# KiCad board [DFR1142]Lite Carrier for LattePanda Mu.kicad_pcb (continued)
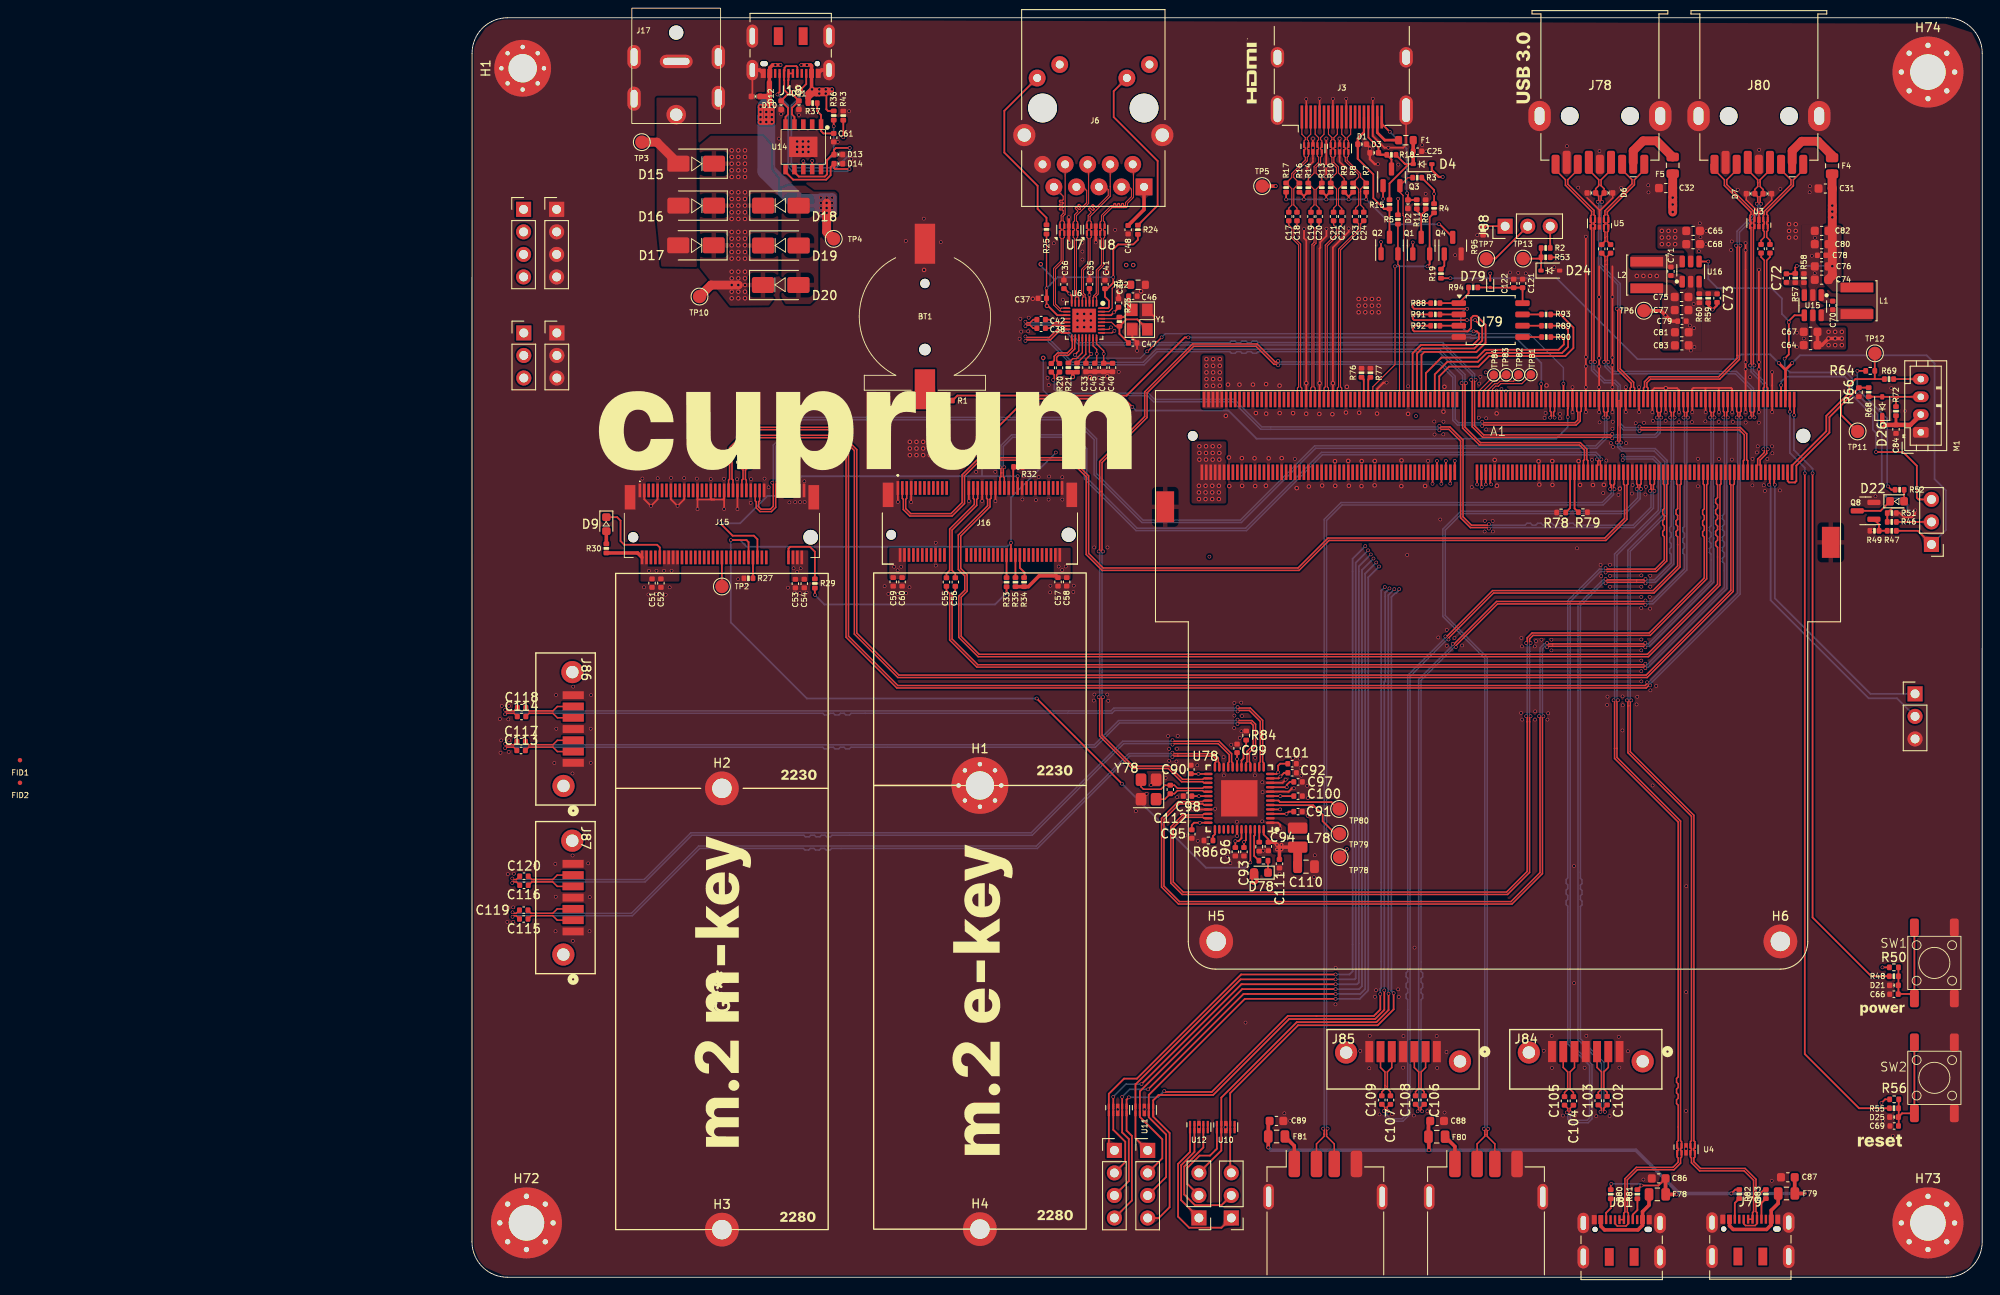
[diagram p0: board, top side]
## Library data of the parts
A1 = -: Description: A micro computing module with x86 processer, RAM and eMMC.; ki_fp_filters: *LattePanda*
C17-C29 C33-C61 C66 C69-C73 C78 C79 C84 = -: SCH_Show_Footprint: C0402; ki_fp_filters: C_*
C31 C32 C64 C65 C67 C68 C74-C77 C80-C83 C86-C89 = -: SCH_Show_Footprint: C603; ki_fp_filters: C_*
C90-C109 C111 C113-C120 = -: DigiKey_PN: 490-4759-1-ND; MFG_PN: GCM155R71C104KA55D; ki_fp_filters: C_*
C110 = -: DigiKey_PN: 490-GRM21BR70J106KA73LCT-ND; MFG_PN: GRM21BR70J106KA73L; ki_fp_filters: C_*
C112 = -: DigiKey_PN: 490-11147-1-ND; MFG_PN: GCM1555C1H150JA16D; ki_fp_filters: C_*
C121 = -: Datasheet: https://wmsc.lcsc.com/wmsc/upload/file/pdf/v2/lcsc/2309061403_Samsung-Electro-Mechanics-CL05A226MQ5QUNC_C105226.pdf; Description: Unpolarized capacitor; DF_Comment: 贴片电容0402-10UF-10V-X5R_GRM155R61A106ME44D; SCH_Show_Footprint: C0402; Part#: C105226; MPN: CL05A226MQ5QUNC; Package: 0402; LCSC Part #: C105226; ki_fp_filters: C_*
C122 = -: Datasheet: https://wmsc.lcsc.com/wmsc/upload/file/pdf/v2/lcsc/1811011928_Walsin-Tech-Corp-0402B104K160CT_C83056.pdf; Description: Unpolarized capacitor; DF_Comment: 贴片电容0402-10UF-10V-X5R_GRM155R61A106ME44D; SCH_Show_Footprint: C0402; Part#: C83056; MPN: 0402B104K160CT; Package: 0402; LCSC Part #: C83056; ki_fp_filters: C_*
D1-D3 D5-D8 D10 D11 D21 D25 = -: Datasheet: https://www.onsemi.com/pub/Collateral/ESD9B-D.PDF; Buy_Link: https://item.szlcsc.com/539388.html; DF_Comment: 双向静电保护二极管_ESD5V0B03-1006_DFN1006; SCH_Show_Footprint: D0402; ki_fp_filters: D*SOD?923*
D4 D26 = -: Datasheet: https://datasheet.lcsc.com/lcsc/2204281430_Guangdong-Hottech-1N5819WS_C191023.pdf; SCH_Show_Footprint: SOD-323; ki_fp_filters: D*SOD?323*
D9 D22 = -: SCH_Show_Footprint: LED0603; ki_fp_filters: LED* LED_SMD:* LED_THT:*
D12-D14 = -: SCH_Show_Footprint: D0402; ki_fp_filters: TO-???* *_Diode_* *SingleDiode* D_*
D15-D20 = -: SCH_Show_Footprint: SMA; ki_fp_filters: TO-???* *_Diode_* *SingleDiode* D_*
D24 = -: Description: Schottky diode; ki_fp_filters: TO-???* *_Diode_* *SingleDiode* D_*
D78 = -: DigiKey_PN: SML-D12Y1WT86CT-ND; MFG_PN: SML-D12Y1WT86; ki_fp_filters: LED* LED_SMD:* LED_THT:*
D79 = -: Datasheet: https://wmsc.lcsc.com/wmsc/upload/file/pdf/v2/lcsc/2004100909_WILLSEMI-Will-Semicon-RB521C30-2-TR_C239637.pdf; Description: Schottky diode; Part#: C239637; MPN: RB521C30-2/TR; Package: SOD-923; LCSC Part #: C239637; ki_fp_filters: TO-???* *_Diode_* *SingleDiode* D_*
F1 F4 F5 = -: SCH_Show_Footprint: R0805; ki_fp_filters: *Fuse*
F78-F81 = -: SCH_Show_Footprint: R0603; ki_fp_filters: *Fuse*
FID1 FID2 = -: ki_fp_filters: Fiducial*
H1 H1#2 H2-H6 = -: ki_fp_filters: MountingHole*Pad*
J1 J7-J14 = -: ki_fp_filters: Connector*:*_1x??_*
J3 = -: Datasheet: https://en.wikipedia.org/wiki/HDMI; DF_Comment: 直插式HDMI母座-19Pin(19PIN); ki_fp_filters: HDMI*A*
J6 = -: Datasheet: https://datasheet.lcsc.com/szlcsc/1901091107_UDE-Corp-RB1-125B8G1A_C363353.pdf; Buy_Link: https://item.szlcsc.com/337919.html; DF_Comment: RJ45_UDE_RB1-125B8G1A; ki_fp_filters: RJ45*UDE*RB1*125B8G1A*
J15 = -: Datasheet: http://read.pudn.com/downloads794/doc/project/3133918/PCIe_M.2_Electromechanical_Spec_Rev1.0_Final_11012013_RS_Clean.pdf#page=155; Buy_Link: https://item.szlcsc.com/8568582.html; DF_Comment: M.2连接器KEY-M_H4.2mm-67P_APCI0107-P001A; ki_fp_filters: *M*2*M*
J16 = -: Datasheet: http://read.pudn.com/downloads794/doc/project/3133918/PCIe_M.2_Electromechanical_Spec_Rev1.0_Final_11012013_RS_Clean.pdf#page=150; Buy_Link: https://item.szlcsc.com/8568583.html; DF_Comment: M.2连接器KEY-E_H4.2mm-67P_APCI0108-P001A; ki_fp_filters: *M*2*E*
J17 = -: ki_fp_filters: BarrelJack*
J18 = -: Datasheet: https://www.usb.org/sites/default/files/documents/usb_type-c.zip; ki_fp_filters: USB*C*Receptacle*
J78 J80 = -: Description: USB 3.0 A connector; ki_fp_filters: USB3*
J79 J81 = -: Datasheet: https://www.usb.org/sites/default/files/documents/usb_type-c.zip; Description: USB 2.0-only 16P Type-C Receptacle connector; ki_fp_filters: USB*C*Receptacle*
J82 J83 = -: Description: USB Type A connector; ki_fp_filters: USB*
J84-J87 = -: ki_fp_filters: CONN_67800-5005_MOL
J88 = -: Description: Generic connector, single row, 01x03, script generated; MPN: PZ2.54-1*3; Package: Jumper; ki_fp_filters: Connector*:*_1x??_*
JP1 = -: ki_fp_filters: Jumper* TestPoint*3Pads* TestPoint*Bridge*
L1 L2 = -: ki_fp_filters: Choke_* *Coil* Inductor_* L_*
L78 = -: MFG_PN: CVH252009-4R7M; DigiKey_PN: CVH252009-4R7MCT-ND; ki_fp_filters: Choke_* *Coil* Inductor_* L_*
M1 = -: Datasheet: http://www.formfactors.org/developer%5Cspecs%5Crev1_2_public.pdf; Buy_Link: https://item.szlcsc.com/255571.html; DF_Comment: JST-B4B-PH-K(LF)(SN); ki_fp_filters: FanPinHeader*P2.54mm*Vertical* PinHeader*P2.54mm*Vertical* TerminalBlock*
Q1-Q4 Q8 = -: Datasheet: https://www.onsemi.com/pub/Collateral/NDS7002A-D.PDF; Buy_Link: https://item.szlcsc.com/774253.html; DF_Comment: NMOS_2SK3018_SOT-23; ki_fp_filters: SOT?23*
R1 R3-R11 R13-R25 R27 R29 R30 R32-R37 R43 R46-R53 R55-R60 R64 R66 R68 R69 R72 R76 R77 = -: ki_fp_filters: R_*
R2 R95 = -: Datasheet: https://wmsc.lcsc.com/wmsc/upload/file/pdf/v2/lcsc/2304140030_YAGEO-RC0402FR-0710KL_C60490.pdf; DF_Comment: 贴片电阻0402-10K-1%; Part#: C60490; MPN: RC0402FR-0710KL; Package: 0402; LCSC Part #: C60490; ki_fp_filters: R_*
R78-R83 = -: Description: Resistor; ki_fp_filters: R_*
R84 R86 = -: DigiKey_PN: 311-12.1KLRCT-ND; MFG_PN: RC0402FR-0712K1L; ki_fp_filters: R_*
R85 = -: DNP: DNP; DigiKey_PN: 311-4.7KJRCT-ND; MFG_PN: RC0402JR-074K7L; ki_fp_filters: R_*
R87 = -: DigiKey_PN: 311-1.0KJRCT-ND; MFG_PN: RC0402JR-071KL; ki_fp_filters: R_*
R88 = -: Datasheet: https://wmsc.lcsc.com/wmsc/upload/file/pdf/v2/lcsc/2304140030_TyoHM-RMC-0402-0R-N_C325377.pdf; Description: Resistor; DF_Comment: 贴片电阻0402-10K-1%; Part#: C325377; MPN: RMC 0402 0R N; Package: 0402; LCSC Part #: C325377; ki_fp_filters: R_*
R89-R93 = -: Datasheet: https://wmsc.lcsc.com/wmsc/upload/file/pdf/v2/lcsc/2304140030_YAGEO-RC0402FR-0715RL_C138052.pdf; Description: Resistor; DF_Comment: 贴片电阻0402-10K-1%; Part#: C138052; MPN: RC0402FR-0715RL; Package: 0402; LCSC Part #: C138052; ki_fp_filters: R_*
R94 = -: Datasheet: https://wmsc.lcsc.com/wmsc/upload/file/pdf/v2/lcsc/2304140030_YAGEO-RC0402FR-07120KL_C93945.pdf; Description: Resistor; DF_Comment: 贴片电阻0402-10K-1%; Part#: C93945; MPN: RC0402FR-07120KL; Package: 0402; LCSC Part #: C93945; ki_fp_filters: R_*
TP2 TP78-TP80 = -: ki_fp_filters: Pin* Test*
TP3-TP7 TP10-TP13 TP81-TP84 = -: Description: test point; ki_fp_filters: Pin* Test*
U1-U5 U9-U12 = -: Datasheet: https://www.diodes.com/assets/Datasheets/D3V3XA4B10LP.pdf; DF_Comment: ESD静电保护IC-BV-ULC0524P-DFN2510-10L; ki_fp_filters: Diodes*UDFN*1.0x2.5mm*P0.5mm*
U6 = -: DF_Comment: 以太网控制器IC-RTL8111H-CG-RH(PCIE-LAN)-QFN32; ki_fp_filters: RTL8111H_QFN32
U7 U8 = -: Datasheet: https://www.diodes.com/assets/Datasheets/D3V3XA4B10LP.pdf; ki_fp_filters: Diodes*UDFN*1.0x2.5mm*P0.5mm*
U14 = -: DF_Comment: USB PD等快充协议受电芯片-CH224K-ESSOP10; ki_fp_filters: ESSOP10
U15 U16 = -: Datasheet: https://atta.szlcsc.com/upload/public/pdf/source/20180625/C93736_E75EC6FD4320D65590D2D5BF0D8B8959.pdf; Buy_Link: https://item.szlcsc.com/94934.html; DF_Comment: Buck IC-SY8253ADC-TSOT-23-6; ki_fp_filters: TSOT?23*
U78 = -: LCSC Part: C2835235
U79 = -: Datasheet: https://www.winbond.com/resource-files/w25q128jv_dtr%20revc%2003272018%20plus.pdf; Description: 128Mbit / 16MiB Serial Flash Memory, Standard/Dual/Quad SPI, 2.7-3.6V, SOIC-8; ki_fp_filters: *SOIC*5.3x5.3mm*P1.27mm*
Y1 = -: ki_fp_filters: Crystal*
Y78 = -: DigiKey_PN: 1253-1744-1-ND; MFG_PN: CX3225SB20000H0FLJCC; ki_fp_filters: Crystal*

## Footprints (pads in the part's own frame, mm; a bottom-side part is the same pattern mirrored in y, then rotated)
Battery_Holder_CR1220_S8411-45R
  round 1.05 hole 1.05 unplated: (0,3.725)
  round 1.3 hole 1.3 unplated: (0,-3.725)
  rect 2.3x4.5 smd: 1(0,-8.2) 2(0,8.2)
C_0402_1005Metric
  rrect 0.56x0.62 smd: 1(-0.48,0) 2(0.48,0)
C_0603_1608Metric
  rrect 0.9x0.95 smd: 1(-0.775,0) 2(0.775,0)
C_0805_2012Metric
  rrect 1x1.45 smd: 1(-0.95,0) 2(0.95,0)
CONN_67800-5005_MOL
  round 2.5 hole 1.4: (-6.415,0.766) (6.415,-0.234)
  rect 0.889x2.388 smd: 1(3.81,0.866) 2(2.54,0.866) 3(1.27,0.866) 4(0,0.866) 5(-1.27,0.866) 6(-2.54,0.866) 7(-3.81,0.866)
Crystal_SMD_3225-4Pin_3.2x2.5mm
  rrect 1.4x1.2 smd: 1(-1.1,-0.85) 2(1.1,-0.85) 3(1.1,0.85) 4(-1.1,0.85)
Crystal_SMD_3225-4Pin_3.2x2.5mm#2
  rect 1.4x1.2 smd: 1(-1.1,-0.85) 2(1.1,-0.85) 3(1.1,0.85) 4(-1.1,0.85)
D_0402_1005Metric
  rrect 0.59x0.64 smd: 1(-0.485,0) 2(0.485,0)
D_SMA
  rrect 2.5x1.8 smd: 1(-2,0) 2(2,0)
D_SOD-323
  rrect 0.6x0.45 smd: 1(-1.05,0) 2(1.05,0)
D_SOD-923
  rrect 0.36x0.25 smd: 1(-0.42,0) 2(0.42,0)
DC_Jack_DC007B_30V_10A
  round 1.6 hole 1.6 unplated: (0,-2.75)
  round 2.2 hole 1.4: 1(0,-12)
  oval 3.7x1.5 hole 3x0.8: 2(0,-6)
  oval 1.5x2.7 hole 0.8x2: 3(-4.75,-5.5) 3(-4.75,-10.2) 3(4.75,-5.5) 3(4.75,-10.1)
Diodes_UDFN-10_1.0x2.5mm_P0.5mm
  rect 0.625x0.25 smd: 1(-0.388,1) 2(-0.388,0.5) 4(-0.388,-0.5) 5(-0.388,-1) 6(0.388,-1) 7(0.388,-0.5) 9(0.388,0.5) 10(0.388,1)
  rect 0.7x0.4 smd: 3(-0.35,0)
  rect 0.575x0.4 smd: 8(0.412,0)
Diodes_UDFN-10_1.0x2.5mm_P0.5mm#2
  rect 0.625x0.25 smd: 1(-0.388,1) 2(-0.388,0.5) 4(-0.388,-0.5) 5(-0.388,-1) 6(0.388,-1) 7(0.388,-0.5) 9(0.388,0.5) 10(0.388,1)
  rect 0.7x0.45 smd: 3(-0.35,0)
  rect 0.575x0.45 smd: 8(0.412,0)
ESSOP-10-1EP_3.9x5mm_P1.0mm_EP3.2x2.3
  rect 2.3x3.2 smd: 0(0,0)
  rect 1.1x0.51 smd: 1(-2.55,2) 2(-2.55,1) 3(-2.55,0) 4(-2.55,-1) 5(-2.55,-2) 6(2.55,-2) 7(2.55,-1) 8(2.55,0) 9(2.55,1) 10(2.55,2)
Fiducial_0.5mm_Mask1mm
  round 0.5 smd: (0,0)
Fuse_0805_2012Metric
  rrect 0.975x1.4 smd: 1(-0.938,0) 2(0.938,0)
HDMI_A_Molex_208658-1001_Horizontal
  rect 2.6x0.3 smd: 1(-3.285,4.5) 2(-3.285,4) 3(-3.285,3.5) 4(-3.285,3) 5(-3.285,2.5) 6(-3.285,2) 7(-3.285,1.5) 8(-3.285,1) 9(-3.285,0.5) 10(-3.285,0) 11(-3.285,-0.5) 12(-3.285,-1) 13(-3.285,-1.5) 14(-3.285,-2) 15(-3.285,-2.5) 16(-3.285,-3) 17(-3.285,-3.5) 18(-3.285,-4) 19(-3.285,-4.5)
  oval 3.3x1.5 hole 2.7x0.9: SH(-2.525,7.25) SH(-2.525,-7.25)
  oval 2.3x1.5 hole 1.7x0.9: SH(3.435,7.25) SH(3.435,-7.25)
JST_PH_B4B-PH-K_1x04_P2.00mm_Vertical
  rrect 1.2x1.75 hole 0.75: 1(0,0)
  oval 1.2x1.75 hole 0.75: 2(2,0) 3(4,0) 4(6,0)
L_1008_2520Metric
  rrect 1.25x2.2 smd: 1(-1.075,0) 2(1.075,0)
L_Sunlord_SWPA4020S
  rect 1.1x3.7 smd: 1(-1.5,0) 2(1.5,0)
LattePanda_Module_H8.0mm_Horizontal
  round 1.1 hole 1.1 unplated: (-34.4,0)
  round 1.6 hole 1.6 unplated: (34.4,0)
  rect 0.3x1.75 smd: 1(33.375,4.1) 2(33.125,-4.1) 3(32.875,4.1) 4(32.625,-4.1) 5(32.375,4.1) 6(32.125,-4.1) 7(31.875,4.1) 8(31.625,-4.1) 9(31.375,4.1) 10(31.125,-4.1) 11(30.875,4.1) 12(30.625,-4.1) 13(30.375,4.1) 14(30.125,-4.1) 15(29.875,4.1) 16(29.625,-4.1) 17(29.375,4.1) 18(29.125,-4.1) 19(28.875,4.1) 20(28.625,-4.1) 21(28.375,4.1) 22(28.125,-4.1) 23(27.875,4.1) 24(27.625,-4.1) 25(27.375,4.1) 26(27.125,-4.1) 27(26.875,4.1) 28(26.625,-4.1) 29(26.375,4.1) 30(26.125,-4.1) 31(25.875,4.1) 32(25.625,-4.1) 33(25.375,4.1) 34(25.125,-4.1) 35(24.875,4.1) 36(24.625,-4.1) 37(24.375,4.1) 38(24.125,-4.1) 39(23.875,4.1) 40(23.625,-4.1) 41(23.375,4.1) 42(23.125,-4.1) 43(22.875,4.1) 44(22.625,-4.1) 45(22.375,4.1) 46(22.125,-4.1) 47(21.875,4.1) 48(21.625,-4.1) 49(21.375,4.1) 50(21.125,-4.1) 51(20.875,4.1) 52(20.625,-4.1) 53(20.375,4.1) 54(20.125,-4.1) 55(19.875,4.1) 56(19.625,-4.1) 57(19.375,4.1) 58(19.125,-4.1) 59(18.875,4.1) 60(18.625,-4.1) 61(18.375,4.1) 62(18.125,-4.1) 63(17.875,4.1) 64(17.625,-4.1) 65(17.375,4.1) 66(17.125,-4.1) 67(16.875,4.1) 68(16.625,-4.1) 69(16.375,4.1) 70(16.125,-4.1) 71(15.875,4.1) 72(15.625,-4.1) 73(15.375,4.1) 74(15.125,-4.1) 75(14.875,4.1) 76(14.625,-4.1) 77(14.375,4.1) 78(14.125,-4.1) 79(13.875,4.1) 80(13.625,-4.1) 81(13.375,4.1) 82(13.125,-4.1) 83(12.875,4.1) 84(12.625,-4.1) 85(12.375,4.1) 86(12.125,-4.1) 87(11.875,4.1) 88(11.625,-4.1) 89(11.375,4.1) 90(11.125,-4.1) 91(10.875,4.1) 92(10.625,-4.1) 93(10.375,4.1) 94(10.125,-4.1) 95(9.875,4.1) 96(9.625,-4.1) 97(9.375,4.1) 98(9.125,-4.1) 99(8.875,4.1) 100(8.625,-4.1) 101(8.375,4.1) 102(8.125,-4.1) 103(7.875,4.1) 104(7.625,-4.1) 105(7.375,4.1) 106(7.125,-4.1) 107(6.875,4.1) 108(6.625,-4.1) 109(6.375,4.1) 110(6.125,-4.1) 111(5.875,4.1) 112(5.625,-4.1) 113(5.375,4.1) 114(5.125,-4.1) 115(4.875,4.1) 116(4.625,-4.1) 117(4.375,4.1) 118(4.125,-4.1) 119(3.875,4.1) 120(3.625,-4.1) 121(3.375,4.1) 122(3.125,-4.1) 123(2.875,4.1) 124(2.625,-4.1) 125(2.375,4.1) 126(2.125,-4.1) 127(1.875,4.1) 128(1.625,-4.1) 129(1.375,4.1) 130(1.125,-4.1) 131(0.875,4.1) 132(0.625,-4.1) 133(0.375,4.1) 134(0.125,-4.1) 135(-0.125,4.1) 136(-0.375,-4.1) 137(-0.625,4.1) 138(-0.875,-4.1) 139(-1.125,4.1) 140(-1.375,-4.1) 141(-1.625,4.1) 142(-1.875,-4.1) 143(-2.125,4.1) 144(-2.375,-4.1) 145(-4.625,4.1) 146(-4.875,-4.1) 147(-5.125,4.1) 148(-5.375,-4.1) 149(-5.625,4.1) 150(-5.875,-4.1) 151(-6.125,4.1) 152(-6.375,-4.1) 153(-6.625,4.1) 154(-6.875,-4.1) 155(-7.125,4.1) 156(-7.375,-4.1) 157(-7.625,4.1) 158(-7.875,-4.1) 159(-8.125,4.1) 160(-8.375,-4.1) 161(-8.625,4.1) 162(-8.875,-4.1) 163(-9.125,4.1) 164(-9.375,-4.1) 165(-9.625,4.1) 166(-9.875,-4.1) 167(-10.125,4.1) 168(-10.375,-4.1) 169(-10.625,4.1) 170(-10.875,-4.1) 171(-11.125,4.1) 172(-11.375,-4.1) 173(-11.625,4.1) 174(-11.875,-4.1) 175(-12.125,4.1) 176(-12.375,-4.1) 177(-12.625,4.1) 178(-12.875,-4.1) 179(-13.125,4.1) 180(-13.375,-4.1) 181(-13.625,4.1) 182(-13.875,-4.1) 183(-14.125,4.1) 184(-14.375,-4.1) 185(-14.625,4.1) 186(-14.875,-4.1) 187(-15.125,4.1) 188(-15.375,-4.1) 189(-15.625,4.1) 190(-15.875,-4.1) 191(-16.125,4.1) 192(-16.375,-4.1) 193(-16.625,4.1) 194(-16.875,-4.1) 195(-17.125,4.1) 196(-17.375,-4.1) 197(-17.625,4.1) 198(-17.875,-4.1) 199(-18.125,4.1) 200(-18.375,-4.1) 201(-18.625,4.1) 202(-18.875,-4.1) 203(-19.125,4.1) 204(-19.375,-4.1) 205(-19.625,4.1) 206(-19.875,-4.1) 207(-20.125,4.1) 208(-20.375,-4.1) 209(-20.625,4.1) 210(-20.875,-4.1) 211(-21.125,4.1) 212(-21.375,-4.1) 213(-21.625,4.1) 214(-21.875,-4.1) 215(-22.125,4.1) 216(-22.375,-4.1) 217(-22.625,4.1) 218(-22.875,-4.1) 219(-23.125,4.1) 220(-23.375,-4.1) 221(-23.625,4.1) 222(-23.875,-4.1) 223(-24.125,4.1) 224(-24.375,-4.1) 225(-24.625,4.1) 226(-24.875,-4.1) 227(-25.125,4.1) 228(-25.375,-4.1) 229(-25.625,4.1) 230(-25.875,-4.1) 231(-26.125,4.1) 232(-26.375,-4.1) 233(-26.625,4.1) 234(-26.875,-4.1) 235(-27.125,4.1) 236(-27.375,-4.1) 237(-27.625,4.1) 238(-27.875,-4.1) 239(-28.125,4.1) 240(-28.375,-4.1) 241(-28.625,4.1) 242(-28.875,-4.1) 243(-29.125,4.1) 244(-29.375,-4.1) 245(-29.625,4.1) 246(-29.875,-4.1) 247(-30.125,4.1) 248(-30.375,-4.1) 249(-30.625,4.1) 250(-30.875,-4.1) 251(-31.125,4.1) 252(-31.375,-4.1) 253(-31.625,4.1) 254(-31.875,-4.1) 255(-32.125,4.1) 256(-32.375,-4.1) 257(-32.625,4.1) 258(-32.875,-4.1) 259(-33.125,4.1) 260(-33.375,-4.1)
  rect 2x3.5 smd: MP(-37.5,-8) MP(37.5,-12)
LED_0603_1608Metric
  rrect 0.875x0.95 smd: 1(-0.787,0) 2(0.787,0)
MountingHole_2.2mm_M2_DIN965_Pad
  round 3.8 hole 2.2: 1(0,0)
MountingHole_3.2mm_M3_Pad_Via
  round 0.8 hole 0.5: 1(-2.4,0) 1(-1.697,1.697) 1(-1.697,-1.697) 1(0,2.4) 1(0,-2.4) 1(1.697,1.697) 1(1.697,-1.697) 1(2.4,0)
  round 6.4 hole 3.2: 1(0,0)
MountingHole_4mm_Pad_Via
  round 0.9 hole 0.6: 1(-3,0) 1(-2.121,2.121) 1(-2.121,-2.121) 1(0,3) 1(0,-3) 1(2.121,2.121) 1(2.121,-2.121) 1(3,0)
  round 8 hole 4: 1(0,0)
PCIe_M.2_Connectors_P=0.5mm_H=4.2mm_KeyE
  round 1.1 hole 1.1 unplated: (-0.75,-5.275)
  round 1.6 hole 1.6 unplated: (19.25,-5.275)
  rect 0.3x1.55 smd: 1(0,0) 2(0.25,-7.55) 3(0.5,0) 4(0.75,-7.55) 5(1,0) 6(1.25,-7.55) 7(1.5,0) 8(1.75,-7.55) 9(2,0) 10(2.25,-7.55) 11(2.5,0) 12(2.75,-7.55) 13(3,0) 14(3.25,-7.55) 15(3.5,0) 16(3.75,-7.55) 17(4,0) 18(4.25,-7.55) 19(4.5,0) 20(4.75,-7.55) 21(5,0) 22(5.25,-7.55) 23(5.5,0) 32(7.75,-7.55) 33(8,0) 34(8.25,-7.55) 35(8.5,0) 36(8.75,-7.55) 37(9,0) 38(9.25,-7.55) 39(9.5,0) 40(9.75,-7.55) 41(10,0) 42(10.25,-7.55) 43(10.5,0) 44(10.75,-7.55) 45(11,0) 46(11.25,-7.55) 47(11.5,0) 48(11.75,-7.55) 49(12,0) 50(12.25,-7.55) 51(12.5,0) 52(12.75,-7.55) 53(13,0) 54(13.25,-7.55) 55(13.5,0) 56(13.75,-7.55) 57(14,0) 58(14.25,-7.55) 59(14.5,0) 60(14.75,-7.55) 61(15,0) 62(15.25,-7.55) 63(15.5,0) 64(15.75,-7.55) 65(16,0) 66(16.25,-7.55) 67(16.5,0) 68(16.75,-7.55) 69(17,0) 70(17.25,-7.55) 71(17.5,0) 72(17.75,-7.55) 73(18,0) 74(18.25,-7.55) 75(18.5,0)
  rect 1.2x2.75 smd: MP1(-1.1,-0.775) MP2(19.6,-0.775)
PCIe_M.2_Connectors_P=0.5mm_H=4.2mm_KeyM
  round 1.15 hole 1.15 unplated: (-10,-1.7)
  round 1.65 hole 1.65 unplated: (10,-1.7)
  rect 0.3x1.55 smd: 1(-9.25,3.575) 2(-9,-3.975) 3(-8.75,3.575) 4(-8.5,-3.975) 5(-8.25,3.575) 6(-8,-3.975) 7(-7.75,3.575) 8(-7.5,-3.975) 9(-7.25,3.575) 10(-7,-3.975) 11(-6.75,3.575) 12(-6.5,-3.975) 13(-6.25,3.575) 14(-6,-3.975) 15(-5.75,3.575) 16(-5.5,-3.975) 17(-5.25,3.575) 18(-5,-3.975) 19(-4.75,3.575) 20(-4.5,-3.975) 21(-4.25,3.575) 22(-4,-3.975) 23(-3.75,3.575) 24(-3.5,-3.975) 25(-3.25,3.575) 26(-3,-3.975) 27(-2.75,3.575) 28(-2.5,-3.975) 29(-2.25,3.575) 30(-2,-3.975) 31(-1.75,3.575) 32(-1.5,-3.975) 33(-1.25,3.575) 34(-1,-3.975) 35(-0.75,3.575) 36(-0.5,-3.975) 37(-0.25,3.575) 38(0,-3.975) 39(0.25,3.575) 40(0.5,-3.975) 41(0.75,3.575) 42(1,-3.975) 43(1.25,3.575) 44(1.5,-3.975) 45(1.75,3.575) 46(2,-3.975) 47(2.25,3.575) 48(2.5,-3.975) 49(2.75,3.575) 50(3,-3.975) 51(3.25,3.575) 52(3.5,-3.975) 53(3.75,3.575) 54(4,-3.975) 55(4.25,3.575) 56(4.5,-3.975) 57(4.75,3.575) 58(5,-3.975) 67(7.25,3.575) 68(7.5,-3.975) 69(7.75,3.575) 70(8,-3.975) 71(8.25,3.575) 72(8.5,-3.975) 73(8.75,3.575) 74(9,-3.975) 75(9.25,3.575)
  rect 1.2x2.75 smd: MP1(-10.35,2.8) MP2(10.35,2.8)
PinHeader_1x03_P2.54mm_Vertical
  rect 1.7x1.7 hole 1: 1(0,0)
  oval 1.7x1.7 hole 1: 2(0,-2.54) 3(0,-5.08)
PinHeader_1x03_P2.54mm_Vertical#2
  rect 1.7x1.7 hole 1: 1(0,0)
  round 1.7 hole 1: 2(0,-2.54) 3(0,-5.08)
PinHeader_1x04_P2.54mm_Vertical
  rect 1.7x1.7 hole 1: 1(0,0)
  oval 1.7x1.7 hole 1: 2(0,-2.54) 3(0,-5.08) 4(0,-7.62)
QFN-32-1EP_4x4mm_P0.4mm_EP2.65x2.65mm
  rrect 1.07x1.07 smd: (-0.66,0.66) (-0.66,-0.66) (0.66,0.66) (0.66,-0.66)
  custom 0.8x0.2 smd: 1(-1.95,1.4) 8(-1.95,-1.4) 17(1.95,-1.4) 24(1.95,1.4)
  rrect 0.8x0.2 smd: 2(-1.95,1) 3(-1.95,0.6) 4(-1.95,0.2) 5(-1.95,-0.2) 6(-1.95,-0.6) 7(-1.95,-1) 18(1.95,-1) 19(1.95,-0.6) 20(1.95,-0.2) 21(1.95,0.2) 22(1.95,0.6) 23(1.95,1)
  custom 0.2x0.8 smd: 9(-1.4,-1.95) 16(1.4,-1.95) 25(1.4,1.95) 32(-1.4,1.95)
  rrect 0.2x0.8 smd: 10(-1,-1.95) 11(-0.6,-1.95) 12(-0.2,-1.95) 13(0.2,-1.95) 14(0.6,-1.95) 15(1,-1.95) 26(1,1.95) 27(0.6,1.95) 28(0.2,1.95) 29(-0.2,1.95) 30(-0.6,1.95) 31(-1,1.95)
  rect 2.65x2.65 smd: 33(0,0)
QFN-48_L7.0-W7.0-P0.50-BL-EP4.1
  oval 0.28x1 smd: 1(-2.75,-3.5) 2(-2.25,-3.5) 3(-1.75,-3.5) 4(-1.25,-3.5) 5(-0.75,-3.5) 6(-0.25,-3.5) 7(0.25,-3.5) 8(0.75,-3.5) 9(1.25,-3.5) 10(1.75,-3.5) 11(2.25,-3.5) 12(2.75,-3.5) 25(2.75,3.5) 26(2.25,3.5) 27(1.75,3.5) 28(1.25,3.5) 29(0.75,3.5) 30(0.25,3.5) 31(-0.25,3.5) 32(-0.75,3.5) 33(-1.25,3.5) 34(-1.75,3.5) 35(-2.25,3.5) 36(-2.75,3.5)
  oval 1x0.28 smd: 13(3.5,-2.75) 14(3.5,-2.25) 15(3.5,-1.75) 16(3.5,-1.25) 17(3.5,-0.75) 18(3.5,-0.25) 19(3.5,0.25) 20(3.5,0.75) 21(3.5,1.25) 22(3.5,1.75) 23(3.5,2.25) 24(3.5,2.75) 37(-3.5,2.75) 38(-3.5,2.25) 39(-3.5,1.75) 40(-3.5,1.25) 41(-3.5,0.75) 42(-3.5,0.25) 43(-3.5,-0.25) 44(-3.5,-0.75) 45(-3.5,-1.25) 46(-3.5,-1.75) 47(-3.5,-2.25) 48(-3.5,-2.75)
  rect 4.1x4.1 smd: 49(0,0)
R_0402_1005Metric
  rrect 0.54x0.64 smd: 1(-0.51,0) 2(0.51,0)
R_0603_1608Metric
  rrect 0.8x0.95 smd: 1(-0.825,0) 2(0.825,0)
R_0805_2012Metric
  rrect 1.025x1.4 smd: 1(-0.912,0) 2(0.912,0)
RJ45_UDE_RB1-125B8G1A
  round 3.25 hole 3.25 unplated: (0,-8.89) (11.43,-8.89)
  round 1.9 hole 0.9: L1(12.04,-12.27) L2(9.5,-13.79) L3(1.93,-12.27) L4(-0.61,-13.79) R2(1.27,-2.54) R3(2.54,0) R4(3.81,-2.54) R5(5.08,0) R6(6.35,-2.54) R7(7.62,0) R8(8.89,-2.54) R9(10.16,0) R10(11.43,-2.54)
  rect 1.9x1.9 hole 0.9: R1(0,0)
  round 2.5 hole 1.5: SH(-2.06,-5.84) SH(13.49,-5.84)
SOIC-8_5.3x5.3mm_P1.27mm
  rrect 1.625x0.65 smd: 1(-3.587,1.905) 2(-3.587,0.635) 3(-3.587,-0.635) 4(-3.587,-1.905) 5(3.587,-1.905) 6(3.587,-0.635) 7(3.587,0.635) 8(3.587,1.905)
SOT-23
  rrect 1.475x0.6 smd: 1(-0.938,0.95) 2(-0.938,-0.95) 3(0.938,0)
SW_Push_6x6x6
  rrect 2x1 smd: 1(-4,2.25) 1(4,2.25) 2(-4,-2.25) 2(4,-2.25)
TestPoint_Pad_D1.0mm
  round 1 smd: 1(0,0)
TestPoint_Pad_D1.5mm
  round 1.5 smd: 1(0,0)
TSOT-23-6
  rrect 1.325x0.6 smd: 1(-1.137,0.95) 2(-1.137,0) 3(-1.137,-0.95) 4(1.137,-0.95) 5(1.137,0) 6(1.137,0.95)
USB3_A_Receptacle_Wuerth_692122030100
  round 2 hole 2 unplated: (-3.4,3.45) (3.4,3.45)
  rrect 0.9x2.6 smd: 1(-3.75,8.67) 2(-1.25,8.67) 3(1.25,8.67) 4(3.75,8.67)
  rrect 0.9x2.15 smd: 5(5,8.895) 6(2.5,8.895) 7(0,8.895) 8(-2.5,8.895) 9(-5,8.895)
  oval 2.52x3.4 hole 1.12x2: 10(-6.8,3.45) 10(6.8,3.45)
USB_A_Receptacle_GCT_USB1046
  oval 1.2x2.9 smd: (-6.4,3.55) (6.4,3.55)
  rrect 1.3x3 smd: 1(-3.5,7.25) 2(-1,7.25) 3(1,7.25) 4(3.5,7.25)
  oval 1.2x2.9 hole 0.6x2.3: 5(-6.4,3.55) 5(6.4,3.55)
USB_C_Receptacle_JAE_DX07S016JA1R1500
  round 0.6 hole 0.6 unplated: (-3,1.95)
  rect 1x2 smd: (-1.4,-1.15) (1.4,-1.15)
  oval 0.85x0.6 hole 0.85x0.6 unplated: (3,1.95)
  rect 0.52x1 smd: A1(-3.1,3.05) A4(-2.35,3.05) A9(2.35,3.05) A12(3.1,3.05) B1(3.1,3.05) B4(2.35,3.05) B9(-2.35,3.05) B12(-3.1,3.05)
  rect 0.27x1 smd: A5(-1.75,3.05) A6(-0.25,3.05) A7(0.75,3.05) A8(1.75,3.05) B5(1.25,3.05) B6(0.25,3.05) B7(-0.75,3.05) B8(-1.25,3.05)
  oval 1.3x2.3 hole 0.6x1.6: S1(-4.32,2.675) S1(4.32,2.675)
  oval 1.3x2.6 hole 0.6x1.9: S1(-4.32,-1.15) S1(4.32,-1.15)

## Nets
5V_HDMI_VCC: C25.1 D4.1 F1.1 R15.1 R18.1
+1V0: C33.2 C34.2 C35.2 C36.2 C40.2 C44.2 U6.3 U6.8 U6.22 U6.24 U6.30
+1V2: C90.1 C92.1 C94.1 C96.1 C98.1 C100.1 C101.1 C110.1 C111.1 L78.2 U78.7 U78.11 U78.12 U78.25 U78.30 U78.43 U78.48
+3V3: C37.2 C41.2 C45.2 C51.2 C52.2 C53.2 C54.2 C57.2 C58.2 C59.2 C60.2 C73.1 C75.2 C77.2 C79.1 C81.2 C83.2 C91.1 C93.1 C95.1 C97.1 C99.1 D78.2 D79.2 J13.1 J13.2 J13.3 J13.4 J14.1 J14.2 J14.3 J15.2 J15.4 J15.12 J15.14 J15.16 J15.18 J15.70 J15.72 J15.74 J16.2 J16.4 J16.72 J16.74 L2.2 Q1.1 Q2.1 Q3.1 R3.1 R4.1 R5.1 R20.1 R21.1 R24.2 R25.2 R30.2 R34.2 R35.1 R50.2 R52.2 R56.2 R59.2 R64.1 TP6.1 U6.11 U6.23 U6.32 U78.3 U78.9 U78.19 U78.36 U78.44
+5V: C31.2 C32.2 C72.1 C74.2 C76.2 C78.1 C80.2 C82.2 C84.1 C86.2 C87.2 C88.2 C89.2 D4.2 D26.1 F4.1 F5.1 F78.1 F79.1 F80.1 F81.1 L1.2 M1.2 R57.2 R72.1 R80.1 R81.1 R82.1 R83.1 TP5.1
+12V: D15.2 D16.2 D17.2 J17.1 TP3.1
+15V: D12.1 D18.2 D19.2 D20.2 J18.A4 J18.A9 J18.B4 J18.B9 R36.1 R37.1 TP4.1
GND: A1.11 A1.14 A1.17 A1.20 A1.23 A1.26 A1.29 A1.32 A1.35 A1.38 A1.41 A1.44 A1.47 A1.50 A1.53 A1.56 A1.59 A1.62 A1.65 A1.68 A1.71 A1.74 A1.77 A1.80 A1.83 A1.86 A1.89 A1.92 A1.95 A1.98 A1.101 A1.107 A1.110 A1.113 A1.116 A1.135 A1.136 A1.151 A1.158 A1.167 A1.170 A1.181 A1.182 A1.188 A1.189 A1.194 A1.195 A1.200 A1.201 A1.206 A1.207 A1.212 A1.213 A1.218 A1.219 A1.224 A1.225 A1.230 A1.231 A1.236 A1.237 A1.242 A1.243 A1.248 A1.249 A1.MP BT1.2 C25.2 C31.1 C32.1 C33.1 C34.1 C35.1 C36.1 C37.1 C40.1 C41.1 C44.1 C45.1 C46.1 C47.1 C48.2 C51.1 C52.1 C53.1 C54.1 C57.1 C58.1 C59.1 C60.1 C61.2 C64.1 C65.1 C66.2 C67.1 C68.1 C69.2 C74.1 C75.1 C76.1 C77.1 C78.2 C79.2 C80.1 C81.1 C82.1 C83.1 C84.2 C86.1 C87.1 C88.1 C89.1 C90.2 C91.2 C92.2 C93.2 C94.2 C95.2 C96.2 C97.2 C98.2 C99.2 C100.2 C101.2 C110.2 C111.2 C121.2 C122.2 D1.1 D2.1 D3.1 D5.1 D6.1 D7.1 D8.1 D10.1 D11.1 D12.2 D13.2 D14.2 D21.1 D24.2 D25.1 H1.1 H1#2.1 H2.1 H3.1 H4.1 H5.1 H6.1 H72.1 H73.1 H74.1 J1.3 J3.2 J3.5 J3.8 J3.11 J3.17 J3.SH J6.R10 J6.SH J11.1 J11.2 J11.3 J12.1 J12.2 J12.3 J12.4 J15.1 J15.3 J15.9 J15.15 J15.21 J15.27 J15.33 J15.39 J15.45 J15.51 J15.57 J15.71 J15.73 J15.75 J15.MP1 J15.MP2 J16.1 J16.7 J16.18 J16.33 J16.39 J16.45 J16.51 J16.57 J16.63 J16.69 J16.75 J16.MP1 J16.MP2 J17.2 J17.3 J18.A1 J18.A12 J18.B1 J18.B12 J18.S1 J78.4 J78.7 J78.10 J79.A1 J79.A12 J79.B1 J79.B12 J79.S1 J80.4 J80.7 J80.10 J81.A1 J81.A12 J81.B1 J81.B12 J81.S1 J82.4 J82.5 J83.4 J83.5 J84.1 J84.4 J84.7 J85.1 J85.4 J85.7 J86.1 J86.4 J86.7 J87.1 J87.4 J87.7 M1.1 Q4.2 Q8.2 R6.2 R22.1 R27.2 R32.2 R43.2 R49.1 R51.1 R58.1 R60.1 R66.2 R76.2 R77.2 R78.2 R79.2 R84.2 R85.1 R86.1 R95.1 SW1.2 SW2.2 U1.3 U1.8 U2.3 U2.8 U3.3 U3.8 U4.3 U4.8 U5.3 U5.8 U6.33 U7.3 U7.8 U8.3 U8.8 U9.3 U9.8 U10.3 U10.8 U11.3 U11.8 U12.3 U12.8 U14.0 U15.2 U16.2 U78.1 U78.8 U78.10 U78.15 U78.22 U78.33 U78.42 U78.49 U79.4 Y1.2 Y1.4 Y78.2 Y78.4
+BATT: A1.115 R1.1
/BIOS/SPI_CLK: A1.155 R89.2
/BIOS/SPI_CS: A1.165 R88.1
/BIOS/SPI_IO0: A1.159 R90.1
/BIOS/SPI_IO1: A1.163 R91.1
/BIOS/SPI_IO2: A1.161 R92.1
/BIOS/SPI_IO3: A1.153 R93.1
/Fan_Temp/FAN_1_PWM: A1.2 R64.2 R69.1 TP12.1
/Fan_Temp/FAN_1_TAC: A1.4 R66.1 R68.2 TP11.1
/Gigabit Ethernet/GbE_PCIe_CLK+: A1.94 U6.15
/Gigabit Ethernet/GbE_PCIe_CLK-: A1.96 U6.16
/Gigabit Ethernet/GbE_PCIe_RX+: A1.64 C43.2
/Gigabit Ethernet/GbE_PCIe_RX-: A1.66 C39.2
/Gigabit Ethernet/GbE_PCIe_TX+: A1.63 C42.2
/Gigabit Ethernet/GbE_PCIe_TX-: A1.61 C38.2
/Gigabit Ethernet/HSI+: C42.1 U6.13
/Gigabit Ethernet/HSI-: C38.1 U6.14
/Gigabit Ethernet/HSO+: C43.1 U6.17
/Gigabit Ethernet/HSO-: C39.1 U6.18
/Gigabit Ethernet/LED0_100: U6.27
/Gigabit Ethernet/LED1_1000: J6.L4 U6.26
/Gigabit Ethernet/LED2_ACT: J6.L2 U6.25
/Gigabit Ethernet/MDI0+: J6.R2 U6.1 U8.5 U8.6
/Gigabit Ethernet/MDI0-: J6.R3 U6.2 U8.4 U8.7
/Gigabit Ethernet/MDI1+: J6.R4 U6.4 U8.2 U8.9
/Gigabit Ethernet/MDI1-: J6.R5 U6.5 U8.1 U8.10
/Gigabit Ethernet/MDI2+: J6.R6 U6.6 U7.5 U7.6
/Gigabit Ethernet/MDI2-: J6.R7 U6.7 U7.4 U7.7
/Gigabit Ethernet/MDI3+: J6.R8 U6.9 U7.2 U7.9
/Gigabit Ethernet/MDI3-: J6.R9 U6.10 U7.1 U7.10
/GPIO/I2C2_SCL: A1.154 J9.1 U11.1 U11.10
/GPIO/I2C2_SDA: A1.156 J7.1 U9.1 U9.10
/GPIO/I2C3_SCL: A1.150 J9.2 U11.2 U11.9
/GPIO/I2C3_SDA: A1.152 J7.2 U9.2 U9.9
/GPIO/I2C4_SCL: A1.146 J9.3 U11.4 U11.7
/GPIO/I2C4_SDA: A1.148 J7.3 U9.4 U9.7
/GPIO/I2C5_SCL: A1.142 J9.4 U11.5 U11.6
/GPIO/I2C5_SDA: A1.144 J7.4 U9.5 U9.6
/GPIO/SOC_UART0_RX: J8.2 U10.1 U10.10
/GPIO/SOC_UART0_TX: J10.2 U12.4 U12.7
/GPIO/SOC_UART1_RX: J8.1 U12.2 U12.9
/GPIO/SOC_UART1_TX: J10.1 U12.1 U12.10
/GPIO/SOC_UART2_RX: A1.140 J8.3 U10.2 U10.9
/GPIO/SOC_UART2_TX: A1.138 J10.3 U10.4 U10.7
/HDMI/DDC_SCL: D1.2 J3.15 Q2.3 R15.2
/HDMI/DDC_SDA: D3.2 J3.16 Q3.3 R18.2
/HDMI/DDI_B_DDC_SCL: A1.171 Q2.2 R5.2
/HDMI/DDI_B_DDC_SDA: A1.169 Q3.2 R3.2
/HDMI/DDI_B_HPD: A1.183 Q1.2 R4.2
/HDMI/DDI_B_TX0+: A1.217 C17.1
/HDMI/DDI_B_TX0-: A1.215 C18.1
/HDMI/DDI_B_TX1+: A1.211 C19.1
/HDMI/DDI_B_TX1-: A1.209 C20.1
/HDMI/DDI_B_TX2+: A1.205 C21.1
/HDMI/DDI_B_TX2-: A1.203 C22.1
/HDMI/DDI_B_TX3+: A1.199 C23.1
/HDMI/DDI_B_TX3-: A1.197 C24.1
/HDMI/HPD: D2.2 J3.19 R11.2
/HDMI/TMDS_CK+: C23.2 J3.10 R8.1 U2.4 U2.7
/HDMI/TMDS_CK-: C24.2 J3.12 R7.1 U2.5 U2.6
/HDMI/TMDS_D0+: C21.2 J3.7 R10.1 U2.1 U2.10
/HDMI/TMDS_D0-: C22.2 J3.9 R9.1 U2.2 U2.9
/HDMI/TMDS_D1+: C19.2 J3.4 R14.1 U1.4 U1.7
/HDMI/TMDS_D1-: C20.2 J3.6 R13.1 U1.5 U1.6
/HDMI/TMDS_D2+: C17.2 J3.1 R17.1 U1.1 U1.10
/HDMI/TMDS_D2-: C18.2 J3.3 R16.1 U1.2 U1.9
/LattePanda Module/HSIO_0_TX+: A1.13 C27.1
/LattePanda Module/HSIO_0_TX-: A1.15 C26.1
/LattePanda Module/HSIO_1_TX+: A1.19 C29.1
/LattePanda Module/HSIO_1_TX-: A1.21 C28.1
/LattePanda Module/HSIO_2_RX+: A1.28 J15.43
/LattePanda Module/HSIO_2_RX-: A1.30 J15.41
/LattePanda Module/HSIO_2_TX+: A1.25 C49.1
/LattePanda Module/HSIO_2_TX-: A1.27 C50.1
/LattePanda Module/HSIO_3_RX+: A1.34 J16.41
/LattePanda Module/HSIO_3_RX-: A1.36 J16.43
/LattePanda Module/HSIO_3_TX+: A1.31 C55.1
/LattePanda Module/HSIO_3_TX-: A1.33 C56.1
/LattePanda Module/HSIO_8_RX+: A1.40 U78.34
/LattePanda Module/HSIO_8_RX-: A1.42 U78.35
/LattePanda Module/HSIO_8_TX+: A1.37 U78.31
/LattePanda Module/HSIO_8_TX-: A1.39 U78.32
/LattePanda Module/HSIO_9_RX+: A1.46
/LattePanda Module/HSIO_9_RX-: A1.48
/LattePanda Module/HSIO_9_TX+: A1.43
/LattePanda Module/HSIO_9_TX-: A1.45
/LattePanda Module/HSIO_10_RX+: A1.52 C109.2
/LattePanda Module/HSIO_10_RX-: A1.54 C107.2
/LattePanda Module/HSIO_10_TX+: A1.49 C106.2
/LattePanda Module/HSIO_10_TX-: A1.51 C108.2
/LattePanda Module/HSIO_11_RX+: A1.58 C105.1
/LattePanda Module/HSIO_11_RX-: A1.60 C104.1
/LattePanda Module/HSIO_11_TX+: A1.55 C102.1
/LattePanda Module/HSIO_11_TX-: A1.57 C103.1
/LattePanda Module/REFCLK0+: A1.85 J15.53
/LattePanda Module/REFCLK0-: A1.87 J15.55
/LattePanda Module/REFCLK2+: A1.97 U78.26
/LattePanda Module/REFCLK2-: A1.99 U78.27
/LattePanda Module/REFCLK3+: A1.88 J16.47
/LattePanda Module/REFCLK3-: A1.90 J16.49
/LattePanda Module/SLS_S3: A1.7 JP1.3
/LattePanda Module/SUSCLK_WIFI: A1.131 R29.2 R33.2
/LattePanda Module/USB_2_P4+: A1.70 J82.3
/LattePanda Module/USB_2_P4-: A1.72 J82.2
/LattePanda Module/USB_2_P7+: A1.76 J16.3
/LattePanda Module/USB_2_P7-: A1.78 J16.5
/LattePanda Module/USB_2_P8+: A1.82 J83.3
/LattePanda Module/USB_2_P8-: A1.84 J83.2
/LattePanda Module/~{PWR_SW}: A1.1 R48.2
/LattePanda Module/~{RST_SW}: A1.3 R55.2
/M.2 E&M Key/CON_PCIE_TX_0+: C55.2 J16.35
/M.2 E&M Key/CON_PCIE_TX_0-: C56.2 J16.37
/M.2 E&M Key/CON_PCIE_TX_1+: C49.2 J15.49
/M.2 E&M Key/CON_PCIE_TX_1-: C50.2 J15.47
/M.2 E&M Key/~{CLKREQE}: J16.53 R32.1
/M.2 E&M Key/~{CLKREQM}: J15.52 R27.1
/PCIe x4/SATA/SATA_CRX_2+: C109.1 J85.6
/PCIe x4/SATA/SATA_CRX_2-: C107.1 J85.5
/PCIe x4/SATA/SATA_CRX_3+: C105.2 J84.6
/PCIe x4/SATA/SATA_CRX_3-: C104.2 J84.5
/PCIe x4/SATA/SATA_CTX_2+: C106.1 J85.2
/PCIe x4/SATA/SATA_CTX_2-: C108.1 J85.3
/PCIe x4/SATA/SATA_CTX_3+: C102.2 J84.2
/PCIe x4/SATA/SATA_CTX_3-: C103.2 J84.3
/PCIe x4/SATA/SATA_RX_1+: C114.2 J86.5
/PCIe x4/SATA/SATA_RX_1-: C118.2 J86.6
/PCIe x4/SATA/SATA_RX_4+: C120.2 J87.6
/PCIe x4/SATA/SATA_RX_4-: C116.2 J87.5
/PCIe x4/SATA/SATA_TX_1+: C113.2 J86.2
/PCIe x4/SATA/SATA_TX_1-: C117.2 J86.3
/PCIe x4/SATA/SATA_TX_4+: C115.2 J87.2
/PCIe x4/SATA/SATA_TX_4-: C119.2 J87.3
/PSU/CC1: D13.1 J18.A5 U14.7
/PSU/CC2: D14.1 J18.B5 U14.6
/PSU/PWR_C_D+: D11.2 J18.A6 J18.B6 U14.4
/PSU/PWR_C_D-: D10.2 J18.A7 J18.B7 U14.5
/PSU/PWR_EN: R46.2 R51.2 U15.4 U16.4
/USB2.0&USB3.0/CON_USB1_D_N: A1.109 J81.A7 J81.B7 U4.2 U4.9
/USB2.0&USB3.0/CON_USB1_D_P: A1.111 J81.A6 J81.B6 U4.1 U4.10
/USB2.0&USB3.0/CON_USB2_D_N: A1.79 J79.A7 J79.B7 U4.5 U4.6
/USB2.0&USB3.0/CON_USB2_D_P: A1.81 J79.A6 J79.B6 U4.4 U4.7
/USB2.0&USB3.0/CON_USB3_D_N: A1.67 D8.2 J80.2
/USB2.0&USB3.0/CON_USB3_D_P: A1.69 D7.2 J80.3
/USB2.0&USB3.0/CON_USB3_SSRX_N: A1.18 J80.5 U3.5 U3.6
/USB2.0&USB3.0/CON_USB3_SSRX_P: A1.16 J80.6 U3.4 U3.7
/USB2.0&USB3.0/CON_USB3_SSTX_N: C26.2 J80.8 U3.2 U3.9
/USB2.0&USB3.0/CON_USB3_SSTX_P: C27.2 J80.9 U3.1 U3.10
/USB2.0&USB3.0/CON_USB4_D_N: A1.73 D6.2 J78.2
/USB2.0&USB3.0/CON_USB4_D_P: A1.75 D5.2 J78.3
/USB2.0&USB3.0/CON_USB4_SSRX_N: A1.24 J78.5 U5.5 U5.6
/USB2.0&USB3.0/CON_USB4_SSRX_P: A1.22 J78.6 U5.4 U5.7
/USB2.0&USB3.0/CON_USB4_SSTX_N: C28.2 J78.8 U5.2 U5.9
/USB2.0&USB3.0/CON_USB4_SSTX_P: C29.2 J78.9 U5.1 U5.10
/~{PLT_RST}: A1.105 J15.50 J16.52 U6.19 U78.45
/~{PWR_LED}/~{PSON}: A1.5 JP1.1 R19.1 R47.1
/~{WAKE}: A1.103 J15.54 J16.55
EXTL: L78.1 U78.2
LED: R87.2 U78.46
SATA1_RX+: C118.1 U78.13
SATA1_RX-: C114.1 U78.14
SATA1_TX+: C113.1 U78.17
SATA1_TX-: C117.1 U78.16
SATA4_RX+: C120.1 U78.20
SATA4_RX-: C116.1 U78.21
SATA4_TX+: C115.1 U78.24
SATA4_TX-: C119.1 U78.23
VDC: A1.250 A1.251 A1.252 A1.253 A1.254 A1.255 A1.256 A1.257 A1.258 A1.259 A1.260 C64.2 C65.2 C67.2 C68.2 D15.1 D16.1 D17.1 D18.1 D19.1 D20.1 R53.1 TP10.1 U15.5 U16.5
VPullup: D24.1 R2.2 R53.2 TP13.1
XI+: C112.1 U78.29 Y78.1
XI-: C112.2 U78.28 Y78.3
Net-(A1-SIO_UART_RX): A1.12 J1.2
Net-(A1-SIO_UART_TX): A1.10 J1.1
Net-(A1-TCP0_HPD): A1.187 R76.1
Net-(A1-TCP1_HPD): A1.185 R77.1
Net-(A1-UART0_RXD): A1.137 TP81.1
Net-(A1-UART0_TXD): A1.139 TP82.1
Net-(A1-UART1_RXD): A1.141 TP83.1
Net-(A1-UART1_TXD): A1.143 TP84.1
Net-(A1-~{BIOS_SEL}): A1.133 J88.2 TP7.1
Net-(A1-~{CLKREQ3}): A1.100 R79.1
Net-(A1-~{CLKREQ4}): A1.102 R78.1
Net-(BT1-+): BT1.1 R1.2
Net-(D9-A): D9.2 R30.1
Net-(D9-K): D9.1 J15.10
Net-(D21-A2): C66.1 D21.2 R48.1 R50.1 SW1.1
Net-(D22-A): D22.2 R52.1
Net-(D22-K): D22.1 Q8.3
Net-(D25-A2): C69.1 D25.2 R55.1 R56.1 SW2.1
Net-(D26-A): D26.2 M1.3 R68.1 R72.2
Net-(D78-K): D78.1 R87.1
Net-(D79-K): C121.1 C122.1 D79.1 R94.1 U79.8
Net-(F78-Pad2): F78.2 J81.A4 J81.A9 J81.B4 J81.B9
Net-(F79-Pad2): F79.2 J79.A4 J79.A9 J79.B4 J79.B9
Net-(J3-+5V): F1.2 J3.18
Net-(J6-CT): C48.1 J6.R1
Net-(J6-PadL1): J6.L1 R25.1
Net-(J6-PadL3): J6.L3 R24.1
Net-(J15-DEVSLP): J15.38 TP2.1
Net-(J15-PEDET): J15.69
